# Altium PCB FLoRa0.0.PcbDoc (part 2 of 2)
Units mm, origin at the board's own origin, x right, y up, seen from the top; angles counter-clockwise.
Board outline 53.85 x 89.97 mm, 4 copper layers (Top Layer, GND, 3V3, Bottom Layer), stack 1.803 mm thick; 84 components, 75 nets, 327 pads, 177 vias.
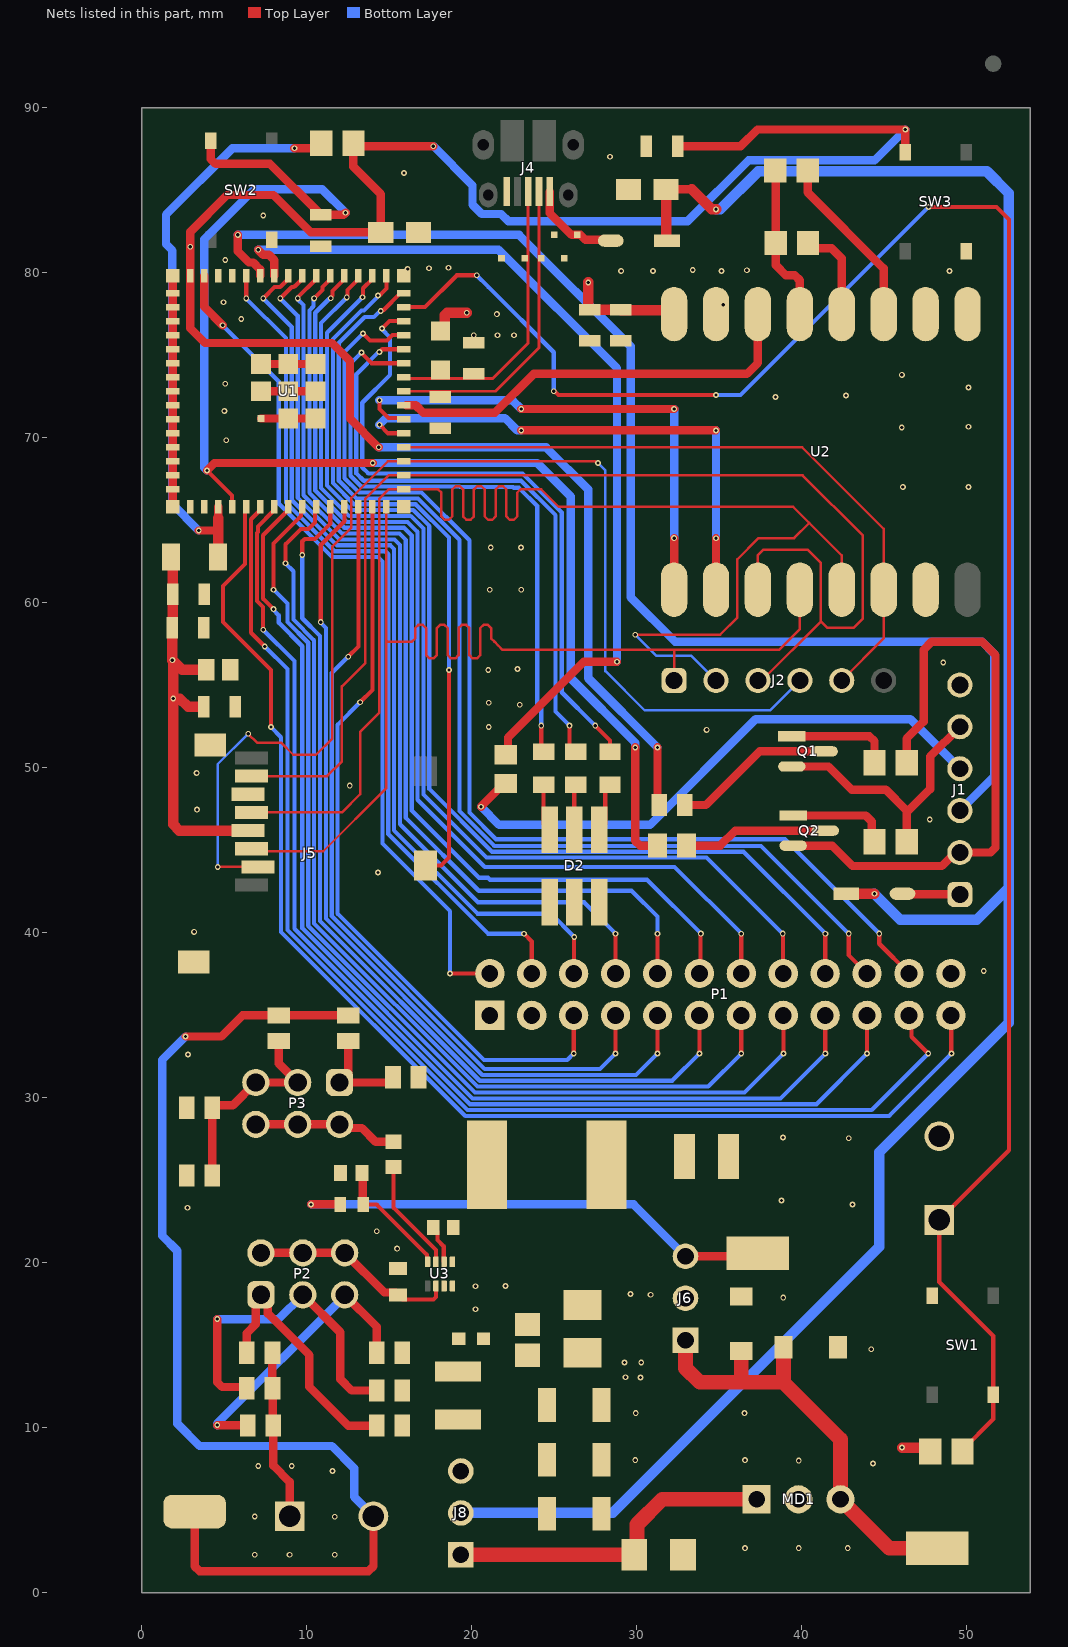
[diagram p4: the nets of this part, all layers, seen from the top]

## Part data (continued)
R18 R19 R23: library part CMP-2001-00528-1, Manufacturer=Panasonic, Part Number=ERJ6ENF2703V
R20 R21 R27 R28: library part CMP-2001-04390-1, Manufacturer=Panasonic, Part Number=ERJ-6ENF1073V
R22: library part CMP-2001-00170-1, Manufacturer=Panasonic, Part Number=ERJ-6ENF4023V
R24: library part CMP-2001-00247-1, Manufacturer=Panasonic, Part Number=ERJ-6ENF5902V
R25: library part CMP-2001-04399-1, Manufacturer=Panasonic, Part Number=ERJ-6ENF1182V
R26: library part CMP-2001-00169-1, Manufacturer=Panasonic, Part Number=ERJ-6ENF4022V
SW1 SW2 SW3: library part CMP-10040-000013-1, "TACT 5.2 X 5.2, 1.5 MM H, 260GF,", Contact Current Rating=50mA, Contact Resistance=100mΩ, Manufacturer=C&K, Operating Force=250gf, Temperature="-20°C to +70°C", Temperature Range High=+70°C, Temperature Range Low=-20°C, Voltage Rating Dc=12V, Automotive=No, Category=Switch, ComponentLink2Description=Datasheet, ComponentLink2URL=https://www.ckswitches.com/media/2780/pts526.pdf, Device Class L1=Electromechanical, Device Class L2=Switches, Device Class L3="Tactile Switches", Digikey Description="TACT 5.2 X 5.2, 1.5 MM H, 260GF,", Electromechanical Life=200000Cycles, Height=1.65mm, Lead Free=Yes, Manufacturer Part Number=PTS526SK15SMTR2LFS, Octopart=https://octopart.com/pts526+sk15+smtr2+lfs-c%26k+components-100617999, Package=PTS526SK15SMTR2LFS, RoHS=TRUE, Standoff Height=0mm, Throw Configuration=SPST-NO
TP1: library part CMP-1672-00008-2, "V_IN_TEST", Contact Material="Bronze, Silver", Contact Plating=Silver, Height=2.286mm, Lead Free="Lead Free", Material=Bronze, Mount="Surface Mount", NexarPartId=22052288, Number of Contacts=1, Number of Pins=1, Packaging="Tape and Reel", REACH SVHC="No SVHC", RoHS=Compliant, Termination=SMD/SMT
TP2 TP3: library part CMP-1672-00008-2, Contact Material="Bronze, Silver", Contact Plating=Silver, Height=2.286mm, Lead Free="Lead Free", Material=Bronze, Mount="Surface Mount", NexarPartId=22052288, Number of Contacts=1, Number of Pins=1, Packaging="Tape and Reel", REACH SVHC="No SVHC", RoHS=Compliant, Termination=SMD/SMT
U1: "Bluetooth, WiFi 802.11b/g/n, Bluetooth v5.0 Transceiver Module 2.4GHz PCB Trace Surface Mount", Package=None, Availability="In Stock", Check_prices=https://www.snapeda.com/parts/ESP32-S3-MINI-1-N8/Espressif+Systems/view-part/?ref=eda, MF="Espressif Systems", MP=ESP32-S3-MINI-1-N8, Price=None, Purchase-URL=https://pricing.snapeda.com/search?q=ESP32-S3-MINI-1-N8&ref=eda, SnapEDA_Link=https://www.snapeda.com/parts/ESP32-S3-MINI-1-N8/Espressif+Systems/view-part/?ref=snap
U2: "LoRa HF module"
U3: Package=None, Availability=Unavailable, MP=TPS62933PDRLR, Price=None

## Via types
v1: diameter 0.35, hole 0.2, Top Layer to Bottom Layer, 176 vias
v2: diameter 0.35, hole 0.2, Top Layer to Bottom Layer, tented both sides, 1 vias

## Nets (pads, with @x,y where several pads share a name; then routed paths per layer and width w, separated by ;. In a path a pad name is that pad's centre, name@x,y a point inside that pad or via, vN(x,y) a via of type N, cw(c..) or ccw(c..) an arc to the next point about the centre after c; other vN are vias at no path point)
3V3: C1.1 C2.1 C9.1 C10.2 C11.1 C12.1 J5.P4 J6.2 P1.1 P1.2 R3.2 R11.2 R29.1 U2.3V3 | length 36.5
  Top Layer w0.635: R3.2@1.775,62.75 1.876,62.649 C2.1@1.876,60.5 1.866,60.49 1.866,58.486 C1.1@1.855,58.475 v1(1.855,56.507) v1@1.902,56.461 ; C9.1@3.755,53.675 2.805,53.675 2.305,54.175 v1(1.902,54.175) ; C10.2@3.901,55.913 2.449,55.913 v1@1.902,56.461 ; J5.P4@6.45,46.175 2.274,46.175 1.902,46.547 v1(1.902,54.175) ; R11.2@18.11,76.443 18.367,76.7 18.367,77.403 18.522,77.558 v1(19.7,77.558) ; v1(27.058,79.395) 27.058,77.783 C11.1@27.091,77.75 ; C11.1@27.146,77.75 C11.1@27.091,77.75 ; U2.3V3@32.26,77.475 32.018,77.717 29.048,77.717 C12.1@29.016,77.75 C11.1@27.091,77.75 ; v1(46.076,8.785) 47.554,8.785 R29.1@47.789,8.55 ; v1(1.902,54.175) v1@1.902,56.461
  other v1: 30.223,13.027 29.313,13.05 29.259,13.947 30.273,13.947 30.837,18.053 29.617,18.094
ANT_SW: R12.1 R13.1 U2.DIO2 | length 9.6
  Top Layer w0.508: R12.1@38.398,86.178 38.411,86.166 38.411,81.787 R13.1@38.423,81.775 38.423,80.438 39.035,79.825 39.577,79.825 39.874,79.527 39.874,77.475 U2.DIO2@39.88,77.475
B_LED: R5.1 U1.25 | length 37.7
  Top Layer w0.254: v1(13.31,75.148) 13.31,75.107 13.917,74.5 U1.25@15.876,74.5 ; v1(24.206,52.537) 24.206,51.126 R5.1@24.366,50.966
  Bottom Layer w0.254: v1(13.31,75.148) 12.647,74.486 12.647,67.676 13.303,67.019 19.249,67.019 19.272,66.996 22.487,66.996 22.537,66.946 22.856,66.946 23.965,65.838 23.965,53.799 24.206,53.557 v1(24.206,52.537)
CHIP_PU: C3.1 C8.2 R1.1 R4.1 SW3.2 U1.45 | length 130.4
  Top Layer w0.508: v1(14.355,69.4) 12.615,71.14 12.615,74.628 11.518,75.725 3.83,75.725 2.926,76.628 2.926,81.55 v1(2.939,81.562) 2.939,82.459 5.175,84.695 7.98,84.695 10.25,82.425 C3.1@14.482,82.425 14.482,84.745 12.825,86.402 R4.1@12.825,87.825 13,87.65 v1(17.668,87.65) ; R1.1@31.253,47.725 v1(31.252,51.215) v1(31.252,51.215) ; C8.2@32.475,87.65 36.3,87.65 37.312,88.662 v1(46.275,88.662) SW3.2@46.275,87.275
  Bottom Layer w0.508: v1(14.355,69.4) 24.508,69.4 27.058,66.85 27.058,55.408 v1(31.252,51.215) ; v1(17.668,87.65) 20.042,85.276 20.042,84.1 20.601,83.541 21.777,83.541 22.208,83.111 33.087,83.111 36.768,86.791 44.404,86.791 v1(46.275,88.662)
DATA_N: C6.1 D5.2 J4.2 U1.23 | length 18.8
  Top Layer w0.181: U1.23@15.876,72.8 15.957,72.88 16.037,72.8 21.44,72.8 24.072,75.432 24.072,80.85 24.072,84.901 J4.2@24.085,84.914
DATA_P: C5.1 D6.2 J4.3 R11.1 U1.24 | length 17.6
  Top Layer w0.181: U1.24@15.876,73.65 15.957,73.57 18.081,73.57 21.27,73.57 23.408,75.707 23.408,84.888 J4.3@23.421,84.9
DTR: J1.2 Q2.2 R2.2 | length 37.1
  Top Layer w0.508: Q2.2@39.473,45.26 41.84,45.26 43.068,44.032 48.488,44.032 49.301,44.845 J1.2@49.575,44.845 51.437,44.845 51.735,45.143 51.735,56.811 50.921,57.625 47.875,57.625 47.379,57.129 47.379,52.774 46.35,51.745 R2.2@46.35,50.287
ESP_3V3: R3.1 R4.2 U1.3 | length 35.4
  Top Layer w0.508: v1(3.45,64.362) 4.538,64.362 4.626,64.275 ; 4.626,65.101 U1.3@4.626,65.8 ; v1(9.25,87.525) 10.575,87.525 R4.2@10.875,87.825
  Top Layer w0.635: R3.1@4.625,62.75 4.626,64.275 4.626,65.1
  Bottom Layer w0.508: v1(3.45,64.362) 1.855,65.957 1.855,81.325 1.469,81.712 1.469,83.506 5.488,87.525 v1(9.25,87.525)
FB: R15.1 R17.2 U3.8 | length 7.5
  Top Layer w0.254: R15.1@13.417,23.52 14.236,23.52 17.289,20.467 17.289,20.08 U3.8@17.322,20.047
  Top Layer w0.508: R17.2@13.344,25.425 13.38,25.388 13.38,23.557 R15.1@13.417,23.52
FSPI_CLK: J2.2 J5.P5 U1.16 U2.CLK | length 92.9
  Top Layer w0.149: J5.P5@6.65,47.275 12.132,47.275 13.233,48.376 13.233,52.153 14.402,53.323 14.402,66.293 14.959,66.85 U1.16@15.876,66.85 17.231,66.85 17.962,66.85 18.159,66.653 18.159,65.211 18.356,65.014 18.619,65.014 18.816,65.211 18.816,66.849 19.013,67.046 19.276,67.046 19.473,66.849 19.473,65.211 19.67,65.014 19.932,65.014 20.129,65.211 20.129,66.849 20.326,67.046 20.589,67.046 20.786,66.849 20.786,65.211 20.983,65.014 21.245,65.014 21.442,65.211 21.442,66.849 21.639,67.046 21.902,67.046 22.099,66.849 22.099,65.211 22.296,65.014 22.559,65.014 22.755,65.211 22.755,66.653 22.952,66.85 24.206,66.85 25.256,65.8 39.473,65.8 40.45,64.823 ; v1(29.9,58.05) 35.053,58.05 36.095,59.093 36.095,62.615 37.38,63.9 39.527,63.9 40.45,64.823 ; U2.CLK@42.42,60.775 42.42,62.853 40.45,64.823
  Bottom Layer w0.149: v1(29.9,58.05) 31.184,56.766 33.311,56.766 J2.2@34.8,55.276
FSPI_MISO: J2.3 J5.P7 U1.17 U2.MISO | length 77.8
  Top Layer w0.149: J5.P7@6.65,49.475 11.235,49.475 12.132,50.372 12.132,54.911 13.552,56.331 13.552,66.293 14.959,67.7 U1.17@15.876,67.7 40.05,67.7 43.7,64.05 43.7,59.025 43.15,58.475 41.53,58.475 41.15,58.855 ; J2.3@37.34,55.276 37.571,55.276 41.15,58.855 ; U2.MISO@37.34,60.775 37.34,62.865 37.675,63.2 40.35,63.2 41.15,62.4 41.15,58.855
FSPI_MOSI: J2.1 J5.P3 U1.15 U2.MOSI | length 69.3
  Top Layer w0.149: J5.P3@6.65,45.075 6.8,44.925 11,44.925 14.826,48.751 14.826,57.713 ; U1.15@14.826,65.8 14.826,57.713 ; J2.1@32.26,55.276 32.26,57.129 ; U2.MOSI@39.88,60.775 39.88,58.387 38.623,57.129 32.26,57.129 ; 14.826,57.713 14.915,57.625 16.3,57.625 16.374,57.625 16.571,57.822 16.571,58.444 16.768,58.641 17.031,58.641 17.228,58.444 17.228,56.806 17.425,56.609 17.687,56.609 17.884,56.806 17.884,58.444 18.081,58.641 18.344,58.641 18.541,58.444 18.541,56.806 18.738,56.609 19.001,56.609 19.198,56.806 19.198,58.444 19.395,58.641 19.657,58.641 19.854,58.444 19.854,56.806 20.051,56.609 20.314,56.609 20.511,56.806 20.511,58.444 20.708,58.641 20.97,58.641 21.167,58.444 21.167,57.822 21.364,57.625 21.583,57.406 21.86,57.129 32.26,57.129
G_LED: R10.1 U1.28 | length 39.7
  Top Layer w0.254: v1(14.556,76.599) 15.007,77.05 U1.28@15.876,77.05 ; v1(27.475,52.537) 28.375,51.637 R10.1@28.375,50.962
  Bottom Layer w0.254: v1(14.556,76.599) 14.556,76.554 15.052,76.058 15.052,73.794 13.358,72.101 13.358,68.19 13.729,67.819 23.08,67.819 25.451,65.448 25.451,54.561 v1(27.475,52.537)
GND: C1.2 C2.2 C3.2 C4.2 C5.2 C6.2 C7.1 C8.1 C9.2 C10.1 C11.2 C12.2 C13.2 C14.2 C15.2 C17.2 C18.2 C19.2 C20.1 C21.2 C22.2 C23.2 C24.2 D2.1 D2.3 D2.5 D4.1 D5.1 D6.1 J1.6 J3.2 J4.5 J5.G1 J5.G2 J5.P6 J10.1 MD1.2 P1.13 R17.1 R23.1 R24.1 R25.1 R26.1 R27.1 R28.1 SW1.2 SW2.3 SW3.3 U1.1 U1.2 U1.42 U1.43 U1.46 U1.47 U1.48 U1.49 U1.50 U1.51 U1.52 U1.53 U1.54 U1.55 U1.56 U1.57 U1.58 U1.59 U1.60 U1.61 U1.61_1 U1.61_2 U1.61_3 U1.61_4 U1.61_5 U1.61_6 U1.61_7 U1.61_8 U1.62 U1.63 U1.64 U1.65 U2.GND U3.4 | length 34.2
  Top Layer w0.508: U1.62@1.876,65.8 U1.60@1.876,66.85 U1.59@1.876,67.7 U1.58@1.876,68.55 U1.57@1.876,69.4 U1.56@1.876,70.25 U1.55@1.876,71.1 U1.54@1.876,71.95 U1.53@1.876,72.8 U1.52@1.876,73.65 U1.51@1.876,74.5 U1.50@1.876,75.35 U1.49@1.876,76.2 U1.48@1.876,77.05 U1.47@1.876,77.9 U1.46@1.876,78.75 U1.65@1.876,79.8 ; U1.61_1@7.226,71.15 U1.61_8@8.876,71.15 U1.61_7@10.526,71.15 ; U1.61_2@7.226,72.8 U1.61@8.876,72.8 U1.61_6@10.526,72.8 ; U1.61_3@7.226,74.45 U1.61_4@8.876,74.45 U1.61_5@10.526,74.45 ; R24.1@7.917,14.53 R25.1@7.917,12.381 7.947,12.351 7.947,10.15 R26.1@7.976,10.12 7.976,7.692 8.96,6.709 J10.1@8.96,4.625
  other v1: 6.842,2.296 8.96,2.296 11.698,2.296 36.559,2.692 39.813,2.692 42.786,2.693 6.842,4.606 11.698,4.592 11.563,7.365 7.057,7.666 9.087,7.666 44.315,7.825 39.813,7.997 29.903,8.025 36.559,8.025 29.937,10.875 36.527,10.875 44.211,14.751 20.23,17.165 38.88,17.873 20.23,18.558 22.044,18.577 15.474,20.844 14.233,21.898 2.771,23.325 43.075,23.52 38.767,23.758 42.838,27.534 38.855,27.575 2.805,32.606 51.017,37.665 3.172,40.037 14.32,43.638 47.755,46.847 3.346,47.447 12.598,48.9 3.325,49.666 34.231,52.279 21.024,52.45 22.909,53.802 21.024,53.917 20.99,55.913 22.773,55.972 48.563,56.36 21.093,60.775 22.998,60.775 21.146,63.333 22.981,63.333 46.123,66.996 50.102,66.996 5.123,69.831 46.05,70.603 50.102,70.648 5.007,71.604 38.4,72.45 42.679,72.542 50.102,73.031 5.056,73.259 46.063,73.791 21.553,76.187 20.12,76.199 22.557,76.2 6.025,77.181 21.521,77.475 35.231,78.049 4.953,78.2 29.048,80.083 30.984,80.083 35.13,80.083 48.952,80.083 36.67,80.136 33.395,80.15 16.11,80.211 17.41,80.25 18.589,80.281 5.056,80.75 7.364,83.455 15.886,86.025 28.378,87.007
GPIO0_BOOT: C7.2 R9.1 SW2.2 U1.4 | length 85.1
  Top Layer w0.254: v1(3.95,68) 5.476,66.474 U1.4@5.476,65.8
  Top Layer w0.508: v1(3.95,68) 4.402,68.452 v1(13.991,68.452) ; SW2.2@4.175,87.975 4.175,86.874 4.473,86.576 7.77,86.576 C7.2@10.85,83.497 12.225,83.497 v1(12.35,83.622) ; v1(29.9,51.215) 29.9,45.558 30.198,45.26 R9.1@31.252,45.26
  Bottom Layer w0.508: v1(3.95,68) 3.776,68.174 3.776,82.004 6.808,85.035 10.937,85.035 v1(12.35,83.622) ; v1(13.991,68.452) 23.965,68.452 25.998,66.419 25.998,55.408 29.9,51.506 v1(29.9,51.215)
GPIO1: P1.12 U1.5 | length 76.9
  Top Layer w0.254: U1.5@6.326,65.8 6.256,65.729 6.256,62.328 4.93,61.003 4.93,58.808 7.826,55.912 v1(7.826,52.45) ; P1.12@49.033,34.975 49.057,34.951 49.057,32.682 v1(49.075,32.663)
  Bottom Layer w0.254: v1(7.826,52.45) 8.444,51.832 8.444,40.037 19.601,28.88 45.292,28.88 v1(49.075,32.663)
GPIO2: P1.11 U1.6 | length 74.4
  Top Layer w0.254: U1.6@7.176,65.8 7.103,65.727 7.103,65.527 6.621,65.045 6.621,58.162 v1@7.451,57.332 ; P1.11@46.493,34.975 46.648,34.819 46.648,33.679 v1(47.664,32.663)
  Bottom Layer w0.254: v1(7.452,57.332) 8.825,55.959 8.825,40.159 19.748,29.236 44.236,29.236 v1(47.664,32.663)
GPIO3: P1.10 U1.7 | length 69.6
  Top Layer w0.254: v1(7.358,58.348) 7.347,58.359 7.347,59.726 6.992,60.081 6.992,64.218 7.038,64.264 7.038,64.611 7.953,65.527 7.953,65.727 U1.7@8.026,65.8 ; v1(43.953,32.663) P1.10@43.953,34.975
  Bottom Layer w0.254: v1(7.358,58.348) 9.259,56.446 9.259,40.227 19.895,29.591 40.881,29.591 v1(43.953,32.663)
GPIO4: P1.9 U1.8 | length 66.6
  Top Layer w0.254: v1(7.98,59.596) 7.347,60.229 7.347,64.071 8.803,65.527 8.803,65.727 U1.8@8.876,65.8 ; P1.9@41.413,34.975 41.42,34.968 41.42,32.67 v1(41.427,32.663)
  Bottom Layer w0.254: v1(7.98,59.596) 7.98,59.543 8.301,59.221 8.301,58.775 9.726,57.35 9.726,40.263 20.043,29.947 38.71,29.947 v1(41.427,32.663)
GPIO5: P1.8 U1.9 | length 63.3
  Top Layer w0.254: v1(7.98,60.775) 7.98,63.575 9.653,65.249 9.653,65.727 U1.9@9.726,65.8 ; P1.8@38.873,34.975 38.88,34.967 38.88,32.671 v1(38.888,32.663)
  Bottom Layer w0.254: v1(7.98,60.775) 8.825,59.93 8.825,58.823 10.089,57.558 10.089,40.403 20.19,30.303 36.527,30.303 v1(38.888,32.663)
GPIO6: P1.7 U1.10 | length 60.1
  Top Layer w0.254: v1(8.71,62.37) 8.71,63.523 9.643,64.456 10.11,64.456 10.503,64.85 10.503,65.727 U1.10@10.576,65.8 ; v1(36.333,32.663) P1.7@36.333,34.975
  Bottom Layer w0.254: v1(8.71,62.37) 9.191,61.889 9.191,58.959 10.445,57.706 10.445,40.551 20.337,30.658 34.328,30.658 v1(36.333,32.663)
GPIO7: P1.6 U1.11 | length 56.6
  Top Layer w0.254: v1(9.726,62.877) 9.726,63.704 9.875,63.853 10.493,63.853 11.426,64.786 U1.11@11.426,65.8 ; v1(33.793,32.663) P1.6@33.793,34.975
  Bottom Layer w0.254: v1(9.726,62.877) 9.726,59.045 10.8,57.971 10.8,40.698 20.484,31.014 32.143,31.014 v1(33.793,32.663)
GPIO8: P1.5 U1.12 | length 52.5
  Top Layer w0.254: v1(10.85,58.808) 10.85,63.495 12.276,64.922 U1.12@12.276,65.8 ; v1(31.253,32.663) P1.5@31.253,34.975
  Bottom Layer w0.254: v1(10.85,58.808) 10.85,58.755 11.156,58.449 11.156,40.845 20.632,31.369 29.959,31.369 v1(31.253,32.663)
GPIO9: P1.4 U1.13 | length 49.2
  Top Layer w0.254: v1(12.508,56.713) 13.126,57.332 U1.13@13.126,65.8 ; v1(28.713,32.663) P1.4@28.713,34.975
  Bottom Layer w0.254: v1(12.508,56.713) 11.511,55.717 11.511,40.993 20.779,31.725 27.774,31.725 v1(28.713,32.663)
GPIO10: P1.3 U1.14 | length 46
  Top Layer w0.254: v1(13.233,53.95) 13.976,54.694 U1.14@13.976,65.8 ; v1(26.173,32.663) P1.3@26.173,34.975
  Bottom Layer w0.254: v1(13.233,53.95) 11.867,52.584 11.867,41.14 20.731,32.276 25.786,32.276 v1(26.173,32.663)
GPIO36: P1.16 U1.32 | length 67.1
  Top Layer w0.254: v1(13.377,78.503) 13.415,78.54 13.415,79.038 13.976,79.6 U1.32@13.976,79.8 ; P1.16@41.413,37.515 41.42,37.522 41.42,39.922 v1(41.427,39.929)
  Bottom Layer w0.254: v1(13.377,78.503) 13.377,78.498 11.225,76.345 11.225,67.087 12.716,65.596 16.452,65.596 17.425,64.622 17.425,48.687 21.217,44.895 36.461,44.895 v1(41.427,39.929)
GPIO37: P1.17 U1.33 | length 64.8
  Top Layer w0.254: v1(12.421,78.489) 12.459,78.526 12.459,78.932 13.126,79.6 U1.33@13.126,79.8 ; v1(38.838,39.932) 38.855,39.915 38.855,37.532 P1.17@38.873,37.515
  Bottom Layer w0.254: v1(12.421,78.489) 10.869,76.936 10.869,66.939 12.569,65.24 16.304,65.24 17.069,64.475 17.069,48.364 20.894,44.539 34.231,44.539 v1(38.838,39.932)
GPIO38: P1.18 U1.34 | length 62.6
  Top Layer w0.254: v1(11.447,78.436) 11.447,78.489 11.554,78.596 11.554,78.878 12.276,79.6 U1.34@12.276,79.8 ; P1.18@36.333,37.515 v1(36.333,39.929)
  Bottom Layer w0.254: v1(11.447,78.436) 11.395,78.436 10.513,77.554 10.513,66.792 12.421,64.884 16.11,64.884 16.714,64.281 16.714,48.047 20.786,43.975 32.286,43.975 v1(36.333,39.929)
GPIO39: P1.19 U1.35 | length 60.7
  Top Layer w0.254: v1(10.445,78.429) 10.948,78.932 10.948,79.122 11.426,79.6 U1.35@11.426,79.8 ; P1.19@33.793,37.515 33.864,37.587 33.864,39.914 v1(33.883,39.932)
  Bottom Layer w0.254: v1(10.445,78.429) 10.407,78.391 10.407,77.951 10.158,77.702 10.158,66.645 12.274,64.529 15.886,64.529 16.358,64.057 16.358,47.396 20.434,43.32 20.99,43.32 21.111,43.199 30.616,43.199 v1(33.883,39.932)
GPIO40: P1.20 U1.36 | length 59.3
  Top Layer w0.254: v1(9.447,78.429) 9.447,78.47 10.576,79.6 U1.36@10.576,79.8 ; P1.20@31.253,37.515 v2(31.253,39.929)
  Bottom Layer w0.254: v1(9.447,78.429) 9.447,78.375 9.802,78.02 9.802,66.498 12.127,64.173 15.614,64.173 16.002,63.785 16.002,46.948 20.418,42.532 29.681,42.532 31.253,40.96 v2(31.253,39.929)
GPIO41: P1.21 U1.37 | length 57.1
  Top Layer w0.254: v1(8.393,78.429) 9.087,79.123 9.191,79.123 9.212,79.144 9.27,79.144 9.726,79.6 U1.37@9.726,79.8 ; P1.21@28.713,37.515 v1(28.713,39.929)
  Bottom Layer w0.254: v1(8.393,78.429) 9.447,77.374 9.447,66.35 11.979,63.817 15.309,63.817 15.647,63.48 15.647,46.563 20.378,41.832 26.809,41.832 v1(28.713,39.929)
GPIO42: P1.22 U1.38 | length 55.4
  Top Layer w0.254: v1(7.364,78.429) 8.052,79.116 8.393,79.116 8.876,79.6 U1.38@8.876,79.8 ; P1.22@26.173,37.515 26.191,37.533 26.191,39.707 v1(26.209,39.725)
  Bottom Layer w0.254: v1(7.364,78.429) 9.091,76.702 9.091,66.203 11.832,63.462 15.075,63.462 15.291,63.246 15.291,46.192 20.343,41.14 24.794,41.14 v1(26.209,39.725)
GPIO45: P1.23 U1.41 | length 52.5
  Top Layer w0.254: v1(6.326,78.429) U1.41@6.326,79.8 ; v1(23.167,39.929) 23.633,39.463 P1.23@23.633,37.515
  Bottom Layer w0.254: v1(6.326,78.429) 8.735,76.019 8.735,66.056 11.685,63.106 14.757,63.106 14.936,62.927 14.936,45.966 20.973,39.929 v1(23.167,39.929)
GPIO46: P1.24 U1.44 | length 52.5
  Top Layer w0.254: v1(18.683,37.515) P1.24@21.093,37.515
  Top Layer w0.508: U1.44@3.776,79.8 3.776,77.924 v1(4.9,76.8)
  Bottom Layer w0.254: v1(4.9,76.8) 8.301,73.399 8.301,65.987 11.537,62.751 14.32,62.751 14.58,62.49 14.58,45.395 18.683,41.292 v1(18.683,37.515)
GPIO47: P1.14 U1.27 | length 68.7
  Top Layer w0.254: v1(13.404,76.3) 13.83,75.874 14.868,75.874 15.194,76.2 U1.27@15.876,76.2 ; v1(44.69,39.932) 44.69,39.318 P1.14@46.493,37.515
  Bottom Layer w0.254: v1(13.404,76.3) 12.291,75.188 12.291,67.529 13.156,66.664 16.959,66.664 19.854,63.769 19.854,47.263 21.466,45.651 38.971,45.651 v1(44.69,39.932)
GPIO48: P1.15 U1.30 | length 68.3
  Top Layer w0.254: v1(14.482,77.667) 14.52,77.704 14.631,77.704 15.676,78.75 U1.30@15.876,78.75 ; v1(42.838,39.932) 42.838,38.63 P1.15@43.953,37.515
  Bottom Layer w0.254: v1(14.482,77.667) 14.429,77.667 14.062,77.3 13.509,77.3 11.936,75.727 11.936,67.381 13.009,66.308 16.745,66.308 19.252,63.801 19.252,47.363 21.364,45.25 37.52,45.25 v1(42.838,39.932)
LoRa_BUSY: U1.21 U2.BUSY | length 31.3
  Top Layer w0.254: v1(14.402,72.25) 14.402,71.728 14.957,71.173 15.803,71.173 U1.21@15.876,71.1
  Top Layer w0.508: v1(22.998,71.725) v1(32.26,71.725) ; U2.BUSY@32.26,60.775 v1(32.26,63.9)
  Bottom Layer w0.508: v1(14.402,72.25) 22.473,72.25 v1(22.998,71.725) ; v1(32.26,63.9) v1(32.26,71.725)
LoRa_IRQ: U1.22 U2.DIO1 | length 25.7
  Top Layer w0.508: U1.22@16.035,71.95 16.601,71.95 17.051,71.5 21.403,71.5 23.752,73.849 36.67,73.849 37.34,74.519 U2.DIO1@37.34,77.475
LoRa_NSS: J2.5 U1.19 U2.NSS | length 41.4
  Top Layer w0.149: U1.19@15.876,69.4 40.025,69.4 44.96,64.465 U2.NSS@44.96,60.775 44.96,57.816 J2.5@42.42,55.276
LoRa_RESET: U1.20 U2.RESET | length 32.2
  Top Layer w0.254: v1(14.402,70.775) 14.927,70.25 U1.20@15.876,70.25
  Top Layer w0.508: v1(22.998,70.425) v1(34.8,70.425) ; U2.RESET@34.8,60.775 v1(34.8,63.888)
  Bottom Layer w0.508: v1(14.402,70.775) 14.8,71.173 22.004,71.173 22.752,70.425 v1(22.998,70.425) ; v1(34.8,63.888) v1(34.8,70.425)
NetC13_1: C13.1 C14.1 J6.1 MD1.3 TP2.1 | length 27.6
  Top Layer w0.889: J6.1@32.95,15.298 32.95,13.601 33.807,12.744 36.321,12.744 ; C13.1@36.333,14.637 36.333,12.755 36.321,12.744 ; C14.1@38.888,14.869 38.888,12.744 ; TP2.1@48.209,2.693 45.297,2.693 MD1.3@42.34,5.65 42.34,9.292 38.888,12.744 ; 36.321,12.744 38.888,12.744
NetC15_1: C15.1 J8.1 MD1.1 | length 20.3
  Top Layer w0.889: J8.1@19.339,2.285 C15.1@29.85,2.285 30.011,2.447 30.011,4.125 31.537,5.65 MD1.1@37.26,5.65
NetC16_1: C16.1 U3.6 | length 2.4
  Top Layer w0.254: C16.1@17.673,22.13 17.912,21.89 17.912,21.37 18.3,20.982 18.3,20.069 U3.6@18.322,20.047
NetC17_1: C17.1 C21.1 C22.1 J8.3 L1.1
NetC20_2: C20.2 J6.3 L2.2 R15.2 TP3.1 | length 30.2
  Top Layer w0.508: v1(10.259,23.52) R15.2@12.017,23.52 ; J6.3@32.95,20.378 37.161,20.378 TP3.1@37.333,20.549
  Bottom Layer w0.508: v1(10.259,23.52) 29.808,23.52 J6.3@32.95,20.378
NetD1_2: D1.2 J1.1 | length 3.5
  Top Layer w0.508: D1.2@46.101,42.35 46.123,42.327 49.553,42.327 J1.1@49.575,42.305
NetD2_2: D2.2 R5.2 | length 2.9
  Top Layer w0.254: R5.2@24.366,48.966 24.336,48.936 24.336,46.605 D2.2@24.709,46.232
NetD2_4: D2.4 R7.2 | length 2.8
  Top Layer w0.254: D2.4@26.209,46.232 26.209,48.863 R7.2@26.312,48.966
NetD2_6: D2.6 R10.2 | length 3
  Top Layer w0.254: D2.6@27.709,46.232 28.082,46.605 28.082,48.669 R10.2@28.375,48.962
NetD3_2: D3.2 D4.2 J4.1 | length 5.7
  Top Layer w0.508: J4.1@24.721,84.9 24.721,83.6 26.046,82.275 D4.2@26.401,82.275 26.585,82.275 26.891,81.97 28.378,81.97 D3.2@28.423,81.925
NetJ1_4: J1.4 R6.2 | length 35.5
  Top Layer w0.508: v1(20.557,47.625) 20.567,47.625 21.964,49.022 R6.2@22.067,49.022
  Bottom Layer w0.508: v1(20.557,47.625) 21.657,46.525 30.8,46.525 37.2,52.925 46.575,52.925 J1.4@49.575,49.925
NetP2_1: P2.1 R19.1 R24.2 | length 15.8
  Top Layer w0.508: R24.2@6.324,14.574 R24.2@6.367,14.53 6.367,15.725 6.908,16.266 6.908,17.734 P2.1@7.219,18.045 7.642,17.622 7.642,16.901 10.16,14.384 10.16,12.468 12.508,10.12 R19.1@14.233,10.12
NetP2_3: P2.3 R20.1 R25.2 | length 20.1
  Top Layer w0.508: v1(4.572,16.572) 4.572,12.755 4.869,12.457 6.291,12.457 R25.2@6.367,12.381 ; P2.3@9.759,18.045 12.029,15.776 12.029,12.933 12.717,12.244 R20.1@14.233,12.244
  Bottom Layer w0.508: v1(4.572,16.572) 8.286,16.572 P2.3@9.759,18.045
NetP2_5: P2.5 R22.1 R26.2 | length 17.3
  Top Layer w0.508: v1(4.572,10.15) 4.586,10.135 6.412,10.135 R26.2@6.426,10.12 ; P2.5@12.299,18.045 14.233,16.111 R22.1@14.233,14.53
  Bottom Layer w0.508: v1(4.572,10.15) 4.572,10.233 12.299,17.961 P2.5@12.299,18.045
NetP3_1: P3.1 R18.1 R23.2 | length 6.1
  Top Layer w0.508: R18.1@12.508,33.425 12.508,31.517 11.988,30.998 P3.1@11.988,30.912 15.004,30.912 15.225,31.133 R23.2@15.225,31.225
NetP3_3: P3.3 P3.5 R21.1 R27.2 R28.2 | length 12.9
  Top Layer w0.508: R27.2@4.274,25.275 R28.2@4.275,29.375 4.428,29.528 5.512,29.528 6.896,30.912 P3.5@6.908,30.912 P3.3@9.448,30.912 8.301,32.059 R21.1@8.301,33.425
NetQ1_1: Q1.1 R2.1 | length 6.4
  Top Layer w0.508: Q1.1@39.397,51.89 44.103,51.89 44.4,51.592 R2.1@44.4,50.287
NetQ1_3: Q1.3 R1.2 | length 9.7
  Top Layer w0.508: R1.2@33.003,47.725 34.188,47.725 37.438,50.975 Q1.3@41.35,50.975
NetQ2_1: Q2.1 R8.1 | length 6.2
  Top Layer w0.508: Q2.1@39.473,47.09 43.872,47.09 44.236,46.726 44.236,45.651 R8.1@44.4,45.487
NetQ2_3: Q2.3 R9.2 | length 8.8
  Top Layer w0.508: R9.2@33.002,45.26 35.053,45.26 35.968,46.175 Q2.3@41.427,46.175
NetR14_1: R14.1 U3.7 | length 7.1
  Top Layer w0.254: R14.1@15.474,26 R14.1@15.261,25.787 15.261,23.325 17.822,20.764 U3.7@17.822,20.047
PSU_EN: C24.1 P2.2 P2.4 P2.6 U3.2 | length 12.4
  Top Layer w0.254: C24.1@15.526,18.03 C24.1@15.526,18.03 15.801,17.757 17.676,17.757 17.825,17.906 U3.2@17.825,18.45
  Top Layer w0.508: P2.2@7.219,20.585 P2.4@9.759,20.585 P2.6@12.299,20.585 14.701,18.183 15.373,18.183 C24.1@15.526,18.03
R_LED: R7.1 U1.26 | length 37.5
  Top Layer w0.254: v1(14.399,75.184) 14.408,75.184 14.574,75.35 U1.26@15.876,75.35 ; v1(25.925,52.537) 25.925,51.339 26.298,50.966 R7.1@26.312,50.966
  Bottom Layer w0.254: v1(14.399,75.184) 14.355,75.184 13.003,73.832 13.003,67.823 13.451,67.375 22.981,67.375 25.066,65.29 25.066,53.395 v1(25.925,52.537)
RTS: J1.5 Q1.2 R8.2 | length 16.5
  Top Layer w0.508: Q1.2@39.397,50.06 41.615,50.06 43.02,48.655 45.087,48.655 46.35,47.391 46.35,47.262 ; R8.2@46.35,45.487 46.35,47.262 ; J1.5@49.575,52.465 47.775,50.665 47.775,48.687 46.35,47.262
RX_EN: R12.2 U2.RXEN | length 10.6
  Top Layer w0.508: R12.2@40.35,86.178 40.35,84.858 44.96,80.248 U2.RXEN@44.96,77.475
SD_CD: J5.CD1 U1.31 | length 43.5
  Top Layer w0.254: v1(14.32,78.603) 14.357,78.641 14.448,78.641 14.826,79.019 U1.31@14.826,79.8 ; J5.CD1@17.2,44.065 18.145,44.065 18.619,44.539 v1(18.619,55.902)
  Bottom Layer w0.254: v1(14.32,78.603) 14.32,78.55 13.471,77.702 13.316,77.702 11.58,75.966 11.58,67.234 12.863,65.951 16.599,65.951 18.619,63.931 v1(18.619,55.902)
SD_CS: J2.4 J5.P2 U1.18 | length 74.6
  Top Layer w0.149: v1(4.599,43.975) J5.P2@7.05,43.975 ; v1(6.447,52.04) 6.981,51.506 8.444,51.506 9.177,50.773 10.558,50.773 11.55,51.765 11.55,63.388 12.702,64.54 12.702,66.343 14.909,68.55 U1.18@15.876,68.55 27.475,68.55 27.574,68.452 v1(27.646,68.452)
  Bottom Layer w0.149: v1(4.599,43.975) 4.599,50.193 v1(6.447,52.04) ; v1(27.646,68.452) 28.098,68 28.098,55.845 30.479,53.464 38.067,53.464 J2.4@39.88,55.276
SW_OUT: C16.2 L2.1 U3.5
TX_EN: R13.2 U2.TXEN | length 5.8
  Top Layer w0.508: R13.2@40.374,81.775 40.692,81.457 41.814,81.457 42.42,80.85 U2.TXEN@42.42,77.475
U0RXD: J1.3 U1.40 | length 78.8
  Top Layer w0.508: v1(5.825,82.275) 5.825,81.276 6.497,80.604 6.756,80.604 7.176,80.184 U1.40@7.176,79.8
  Bottom Layer w0.508: v1(5.825,82.275) 22.873,82.275 29.623,75.525 29.623,60.318 32.316,57.625 50.921,57.625 51.656,56.89 51.656,49.466 J1.3@49.575,47.385
U0TXD: R6.1 U1.39 | length 54.3
  Top Layer w0.508: v1(7.054,81.375) 7.358,81.071 7.705,81.071 8.026,80.75 U1.39@8.026,79.8 ; R6.1@22.067,50.773 22.195,50.901 22.195,51.815 26.794,56.413 v1(28.798,56.413)
  Bottom Layer w0.508: v1(7.054,81.375) 21.621,81.375 28.798,74.198 v1(28.798,56.413)
USER_SW: J3.1 R29.2 SW1.3 U1.29 | length 125.4
  Top Layer w0.254: U1.29@15.876,77.9 17.16,77.9 19.085,79.825 v1(20.3,79.825) ; v1(24.968,72.8) 25.021,72.8 25.246,72.575 v1(34.8,72.575) ; v1(47.675,83.965) 51.797,83.965 52.55,83.212 52.55,26.806 J3.1@48.325,22.581 48.325,18.817 51.6,15.542 SW1.3@51.6,12 51.6,10.511 49.739,8.65 R29.2@49.739,8.55
  Bottom Layer w0.254: v1(20.3,79.825) 20.989,79.136 20.989,79.144 24.968,75.165 v1(24.968,72.8) ; v1(34.8,72.575) 36.285,72.575 v1(47.675,83.965)
V_IN: C18.1 C19.1 C23.1 L1.2 U3.3
V_PG: P3.2 P3.4 P3.6 R14.2 | length 8.8
  Top Layer w0.508: P3.6@6.908,28.372 P3.4@9.448,28.372 P3.2@11.988,28.372 12.207,28.154 13.341,28.154 14.177,27.317 R14.2@15.261,27.317
V_SUPPLY: C4.1 D1.1 D3.1 J8.2 J10.2 R18.2 R19.2 R20.2 R21.2 R22.2 TP1.1 | length 203.8
  Top Layer w0.508: v1(2.655,33.7) 4.826,33.7 6.101,34.975 R21.2@8.301,34.975 R18.2@12.508,34.975 ; TP1.1@3.202,4.907 3.202,1.595 3.499,1.298 13.742,1.298 14.04,1.595 J10.2@14.04,4.625 ; D3.1@31.774,81.974 D3.1@31.823,81.925 ; C4.1@31.774,85.035 33.333,85.035
  Top Layer w0.635: D3.1@31.774,81.974 C4.1@31.774,85.035 ; 33.333,85.035 34.548,83.82 v1(34.8,83.82) ; D1.1@42.7,42.35 v1(44.4,42.35)
  Bottom Layer w0.508: v1(2.655,33.7) 1.232,32.276 1.232,21.63 2.15,20.712 2.15,10.234 3.499,8.885 11.52,8.885 12.872,7.533 12.872,5.807 14.04,4.639 J10.2@14.04,4.625
  Bottom Layer w0.635: J8.2@19.339,4.825 28.551,4.825 44.69,20.964 44.69,26.671 52.55,34.531 52.55,42.722 ; v1(34.8,83.82) 35.052,83.82 37.35,86.118 51.219,86.118 52.55,84.788 52.55,42.85 52.55,42.722 ; v1(44.4,42.35) 45.965,40.785 50.613,40.785 52.55,42.722
pads on no net: FD1.0 J2.6 J4.4 J4.6 J4.7 J4.8 J4.9 J4.10 J4.11 J5.CD2 J5.P1 J5.P8 SW1.1 SW1.4 SW2.1 SW2.4 SW3.1 SW3.4 U2.ANT U3.1

## Polygon pours and split planes (outlines as drawn)
GND on Top Layer "Top GND" (solid, remove dead copper, pour order 22): 0,0.049 53.85,0.049 53.85,90.024 0,90.024
SW_OUT on Top Layer "SW_OUT_L01_P010" (solid, remove dead copper, pour order 10): 18.683,19.54 20.917,19.54 23.507,22.13 23.507,29.068 22.522,30.053 19.105,30.053 18.683,29.506
V_IN on Top Layer "V_IN_L01_P005" (solid, remove dead copper, pour order 5): 18.178,18.83 18.178,12.652 18.362,12.468 21.412,12.468 22.125,13.181 28.125,13.181 28.45,13.506 28.45,15.725 25.458,15.725 24.339,14.605 20.254,14.605 19.915,14.945 19.915,16.23 18.516,17.628 18.516,18.83
3V3 on Top Layer "3V3_L01_P019" (solid, pour order 19): 34.646,19.05 35.058,18.638 35.058,17.07 34.559,16.572 31.352,16.572 31.253,16.473 31.253,12.187 30.866,11.801 29.12,11.801 28.713,12.208 28.713,18.698 29.064,19.05
V_SUPPLY on Top Layer "V_SUPPLY_L01_P001" (solid, pour order 1): 12.654,5.271 12.654,3.94 13.124,3.471 20.055,3.471 20.709,4.125 20.709,5.38 19.859,6.23 13.467,6.23 12.654,5.418
V_SUPPLY on Top Layer "V_SUPPLY_L01_P003" (solid, remove dead copper, pour order 3): 12.654,5.325 12.654,5.418 15.783,8.547 15.783,15.055 16.108,15.38 16.9,15.38 17.115,15.165 17.115,6.54 17.535,6.12 17.535,5.854
NetC20_2 on Top Layer "NETC20_2_L01_P011" (solid, pour order 11): 25.925,28.85 25.925,22.95 29.617,19.258 33.893,19.258 34.42,19.785 34.375,19.83 34.375,28.375 33.51,29.24 26.573,29.24
NetC17_1 on Top Layer "NETC17_1_L01_P004" (solid, remove dead copper, pour order 4): 18.3,6.903 18.868,6.334 20.834,6.334 23.738,3.43 24.965,3.43 25.475,3.94 25.475,12.715 24.55,12.715 24.45,12.815 23.379,11.744 17.869,11.744 17.535,11.411 17.535,7.666 18.302,6.9 18.302,6.893
GND on Bottom Layer "Bottom GND" (solid, remove dead copper, pour order 20): 0,0 53.85,0 53.85,89.975 0,89.975
GND on GND (split plane): 53.34,0.51 0.51,0.51 0.51,89.465 53.34,89.465
3V3 on 3V3 (split plane): 53.34,0.51 0.51,0.51 0.51,89.465 53.34,89.465

## Silkscreen, mask and mechanical layers (free items; w line width, h text height)
Top Overlay:
  text "BOOT" at 2.551,83.301 h1.02 r90
  text "RST" at 53.096,80.904 h1.02 r90
  text "USER" at 46.36,11.619 h1.02 r90

## Text inside footprints (layer, text, board x,y; h text height)
J4: Board "PCB Edge" at 18.996,89.165 h0.75 r180